# Allegro board SG2042_EVB_V2_0.brd (continued)
## Routing (per net, layer and track width the routed paths; a pad name or vN(x,y) marks a point on that pad's centre or on a via; arc(x,y) is an arc through that point) (continued)
N22469516: length 1.2
  TOP w0.102: R12725.1 228.35,92.71 U3254.10
N22469531: length 1.7
  TOP w0.102: R12724.2 226.64,96.84 U3254.2
N22472265: length 5.5
  TOP w0.102: TP40.1 214.43,165.86 215.63,164.66 U3259.3
N22472266: length 4.5
  TOP w0.102: U3259.13 213.94,160.66 TP38.1
N22472271: length 3.3
  TOP w0.102: U3259.1 216.59,165.46 216.46,165.58 TP39.1
N22472275: length 4.7
  TOP w0.102: U3259.18 217.83,157.92 217.67,157.76 215.85,157.76 R12820.2
N22472286: length 4.3
  TOP w0.102: R12822.2 216.41,157.45 217.8,157.45 218.23,157.89 U3259.19
N22472288: length 5.7
  TOP w0.102: U3259.16 216.5,159.46 216.08,159.03 216.08,158.62 215.83,158.37 215.6,158.37 214.45,157.23 213.87,157.23 213.26,156.62 R12823.2
N22472290: length 1.5
  TOP w0.102: R12826.1 U3260.3
N22472308: length 1.7
  TOP w0.102: U3259.33 223.83,156.89 R12827.2
N22472317: length 4.5
  TOP w0.102: R12832.2 224.03,154.97 C6094.1 225.35,155.42 226.77,155.42 227.82,154.37 X7.1
N22472345: length 7.6
  TOP w0.099: C6096.2 231.28,157.26 230.55,157.26 228.67,159.14 225.61,159.14 225.52,159.06 U3259.35
N22472347: length 7.6
  TOP w0.099: U3259.36 225.52,159.46 225.61,159.37 228.77,159.37 230.64,157.49 231.28,157.49 C6097.2
N22472357: length 3.8
  TOP w0.102: U3259.20 218.63,157.85 217.93,157.15 216.97,157.15 R12815.2
N22472358: length 3.4
  TOP w0.102: R12818.2 217.6,156.92 218.08,156.92 219.03,157.87 U3259.21
N22472359: length 2.7
  TOP w0.102: R12819.2 219.83,157.42 U3259.23
N22472360: length 2.9
  TOP w0.102: R12817.2 219.43,157.89 U3259.22
N22472377: length 2.5
  TOP w0.102: U3259.24 220.23,156.96 R12828.2
N22472378: length 2.2
  TOP w0.102: U3259.26 221.03,156.34 R12829.2
N22472379: length 2.3
  TOP w0.102: U3259.25 220.63,156.5 R12830.2
N22472380: length 2.5
  TOP w0.102: U3259.27 221.43,157.82 221.37,157.76 221.37,156.86 R12831.2
N22472407: length 13.2
  TOP w0.099: v1(230.99,154.84) 231.11,154.71 C6090.1 ; v1(226.72,162.55) 226.53,162.74 225.61,162.74 225.52,162.66 U3259.44
  ART14 w0.107: v1(226.72,162.55) 226.82,162.65 arc(226.92,162.72) 227.03,162.74 227.67,162.74 arc(227.97,162.68) 228.21,162.51 228.23,162.49 arc(228.4,162.25) 228.46,161.95 228.46,161.38 arc(228.5,161.18) 228.61,161 229.08,160.54 arc(229.44,160) 229.56,159.37 229.56,155.95 arc(229.63,155.61) 229.83,155.31 229.85,155.29 arc(230.14,155.1) 230.49,155.03 230.68,155.03 arc(230.79,155) 230.89,154.94 v1(230.99,154.84)
N22472408: length 13.2
  TOP w0.099: C6091.1 231.11,155.57 v1(230.99,155.45) ; U3259.45 225.52,163.06 225.61,162.97 226.53,162.97 v1(226.72,163.16)
  ART14 w0.107: v1(226.72,163.16) 226.82,163.06 arc(226.92,162.99) 227.03,162.97 227.67,162.97 arc(228.06,162.9) 228.38,162.68 228.4,162.66 arc(228.62,162.34) 228.69,161.95 228.69,161.38 arc(228.71,161.26) 228.78,161.17 229.24,160.7 arc(229.65,160.09) 229.8,159.37 229.8,155.95 arc(229.85,155.7) 229.99,155.48 230.01,155.46 arc(230.23,155.31) 230.49,155.26 230.68,155.26 arc(230.79,155.28) 230.89,155.35 v1(230.99,155.45)
N22472417: length 2.8
  TOP w0.114: U3259.7 216.51,163.06 216.43,162.98 215.79,162.98 215.47,163.29 214.74,163.29 C6077.1
N22472419: length 2.8
  TOP w0.114: U3259.8 216.51,162.66 216.43,162.73 215.69,162.73 215.37,163.05 214.74,163.05 C6079.1
N22472422: length 2
  TOP w0.102: R12816.2 216.17,165.06 U3259.2
N22472429: length 8.9
  TOP w0.099: v1(226.72,163.75) 226.53,163.94 225.61,163.94 225.52,163.86 U3259.47 ; C6092.2 231.11,160.71 v1(230.99,160.83)
  ART14 w0.107: v1(230.99,160.83) 230.89,160.93 arc(230.79,161) 230.68,161.02 230.49,161.02 arc(230.13,161.09) 229.83,161.29 229.81,161.32 arc(229.6,161.63) 229.52,162 229.52,162.71 arc(229.43,163.17) 229.17,163.56 229.15,163.58 arc(228.76,163.85) 228.3,163.94 227.03,163.94 arc(226.92,163.92) 226.82,163.85 v1(226.72,163.75)
N22472430: length 8.9
  TOP w0.099: v1(226.72,164.36) 226.53,164.17 225.61,164.17 225.52,164.26 U3259.48 ; C6093.2 231.11,161.57 v1(230.99,161.44)
  ART14 w0.107: v1(226.72,164.36) 226.82,164.26 arc(226.92,164.19) 227.03,164.17 228.3,164.17 arc(228.85,164.06) 229.32,163.75 229.34,163.73 arc(229.65,163.26) 229.76,162.71 229.76,162 arc(229.81,161.72) 229.97,161.49 230,161.46 arc(230.22,161.31) 230.49,161.25 230.68,161.25 arc(230.79,161.28) 230.89,161.34 v1(230.99,161.44)
N22472431: length 8
  TOP w0.099: U3259.38 225.52,160.26 225.61,160.34 227.93,160.34 230.85,163.26 231.28,163.26 C6098.2
N22472432: length 8
  TOP w0.099: C6099.2 231.28,163.49 230.75,163.49 227.84,160.57 225.61,160.57 225.52,160.66 U3259.39
N22487535: length 2.6
  TOP w0.254: 38.53,138.73 C6015.1 ; C6015.1 38.96,139.17 ; C6015.1 C6017.1 ; C6017.1 38.96,140.03 ; C6017.1 38.53,140.46
N22488220: length 2.6
  TOP w0.254: C6018.1 219.48,294.67 ; C6018.1 219.05,295.1 ; C6018.1 C6020.1 ; C6020.1 218.19,295.1 ; C6020.1 217.75,294.67
N22488934: length 2.6
  TOP w0.254: C6023.1 C6021.1 ; C6023.1 211.63,13.51 ; C6023.1 212.06,13.08 ; C6021.1 212.93,13.08 ; C6021.1 213.36,13.51
N22489675: length 2.6
  TOP w0.254: 191.13,13.08 C6024.1 ; C6024.1 C6026.1 ; C6024.1 191.57,13.51 ; 189.84,13.51 C6026.1 ; C6026.1 190.27,13.08
N22491475: length 1.2
  TOP w0.102: R12730.1 225.97,290.87 Q2029.1
N22493926: length 1.2
  TOP w0.102: R12733.1 205.14,17.31 Q2031.1
N22494740: length 1.2
  TOP w0.102: Q2033.1 183.35,17.31 R12736.1
N22495760: length 1.2
  TOP w0.102: R12739.1 224.47,294.45 Q2030.1
N22495825: length 1.2
  TOP w0.102: R12742.1 206.64,13.73 Q2032.1
N22495890: length 1.2
  TOP w0.102: Q2034.1 184.85,13.73 R12745.1
N22500431: length 2.1
  TOP w0.102: Q2018.1 117.5,13.34 R12768.1 R12747.2
N22501064: length 2.1
  TOP w0.102: R12751.2 R12769.1 120.9,13.34 Q2020.1
N22501650: length 2.1
  TOP w0.102: Q2022.1 124.31,13.34 R12770.1 R12755.2
N22502522: length 2.1
  TOP w0.102: Q2024.1 127.71,13.34 R12771.1 R12759.2
N22503786: length 1.2
  TOP w0.102: R12764.2 115.99,15.76 Q2025.1
N22503799: length 1.2
  TOP w0.102: Q2026.1 109.18,15.76 R12765.2
N22503804: length 1.2
  TOP w0.102: R12766.2 112.58,15.76 Q2027.1
N22503809: length 1.2
  TOP w0.102: Q2028.1 105.78,15.76 R12767.2
N22513936: length 1.3
  TOP w0.533: U3261.1 229.04,148.12 R12833.1
N22513987: length 1.9
  TOP w0.102: R12834.2 C6101.1 227.14,143.37 U3261.4
N22513993: length 1.1
  TOP w0.102: R12835.1 227.14,147.84 U3261.3
N22746014: length 2.2
  TOP w0.305: U3269.25 194.71,192.73 195.33,193.34 C6124.2
N22746016: length 0.9
  TOP w0.305: C6124.1 R12836.1
N22746018: length 0.7
  TOP w0.305: R12836.2 193.42,194.16
N22746020: length 4
  TOP w0.305: R12837.1 196.37,174.4 196.06,174.7 194.61,174.7 194.28,175.03 U29.1
N22746024: length 0.9
  TOP w0.305: R12837.2 C6105.1
N22746026: length 1
  TOP w0.305: C6105.2 192.89,174.04
N22746220: length 4
  TOP w0.203: C6129.1 R12849.1 195.86,190.8 R12850.2 195.13,191.43 U3269.22
N22746352: length 4.5
  TOP w0.203: v1(196.39,192.48) 196.37,192.46 C6131.2 195.4,192.46 195.18,192.23 U3269.24
  TOP w0.254: R12848.1 v1(186.18,193.78) ; R12852.2 v1(195.81,185.93) ; R12855.2 v1(186.77,187.22)
N22746388: length 5.2
  TOP w0.203: R12838.2 196.67,179.15 R12840.1 R12841.2 195.64,179.17 194,177.53 U29.7
N22746392: length 0.9
  TOP w0.203: C6109.1 R12838.1
N22746398: length 2.5
  TOP w0.254: R12848.2 C6132.2 188.19,192.96 188.42,192.73 U3269.5
N22746554: length 1.2
  TOP w0.254: C6117.1 189.08,175.03 U29.19
N22746603: length 2.8
  TOP w0.203: U3269.20 194.43,190.63 195.28,189.79 195.28,189.51 195.71,189.08 R12851.1
N22746652: length 3
  TOP w0.203: R12843.1 194.92,175.77 194.35,176.33 U29.4
N22746663: length 3.7
  TOP w0.203: U29.5 195.73,176.73 C6118.1 195.83,176.63 C6120.2
N22746691: length 4.9
  TOP w0.203: U29.3 193.56,175.93 193.59,175.97 194.14,175.97 194.89,175.21 196.55,175.21 196.82,174.93 R12844.2
N22746711: length 3.6
  TOP w0.254: U3269.17 194.36,189.33 194.59,189.1 194.59,188.8 194.94,188.44 R12853.1 R12852.1
N22746801: length 3.4
  TOP w0.102: U3269.12 188.44,189.83 188.14,189.53 R12854.2 R12857.1 R12855.1
N22746833: length 2.8
  TOP w0.203: U3269.18 194.52,189.83 194.97,189.38 194.97,189.08 R12856.2
N22746994: length 2.2
  TOP w0.305: U3270.25 45.21,192.73 45.82,193.34 C6135.2
N22746996: length 0.9
  TOP w0.305: C6135.1 R12845.1
N22746998: length 0.7
  TOP w0.305: R12845.2 43.92,194.16
N22747134: length 4
  TOP w0.305: R12860.1 48.08,174.4 47.78,174.7 46.33,174.7 46,175.03 U3271.1
N22747138: length 0.9
  TOP w0.305: R12860.2 C6139.1
N22747140: length 1
  TOP w0.305: C6139.2 44.6,174.04
N22747173: length 4
  TOP w0.203: C6138.1 R12861.1 46.35,190.8 R12863.2 45.62,191.43 U3270.22
N22747251: length 4.5
  TOP w0.203: U3270.24 45.68,192.23 45.9,192.46 C6141.2 46.86,192.46 v1(46.89,192.48)
  TOP w0.254: R12868.2 v1(46.3,185.93) ; R12872.2 v1(37.26,187.22) ; R12862.1 v1(36.68,193.78)
N22747327: length 2.5
  TOP w0.254: U3270.5 38.91,192.73 38.68,192.96 C6142.2 R12862.2
N22747453: length 5.2
  TOP w0.203: R12864.2 48.39,179.15 R12866.1 R12869.2 47.35,179.17 45.71,177.53 U3271.7
N22747457: length 0.9
  TOP w0.203: R12864.1 C6149.1
N22747543: length 2.8
  TOP w0.203: U3270.20 44.93,190.63 45.77,189.79 45.77,189.51 46.2,189.08 R12867.1
N22747573: length 1.2
  TOP w0.254: C6148.1 40.79,175.03 U3271.19
N22747673: length 3.6
  TOP w0.254: U3270.17 44.85,189.33 45.09,189.1 45.09,188.8 45.44,188.44 R12870.1 R12868.1
N22747709: length 3
  TOP w0.203: R12877.1 46.63,175.77 46.07,176.33 U3271.4
N22747725: length 3.7
  TOP w0.203: C6154.2 47.55,176.63 C6152.1 47.45,176.73 U3271.5
N22747745: length 3.4
  TOP w0.102: U3270.12 38.93,189.83 38.63,189.53 R12871.2 R12874.1 R12872.1
N22747765: length 4.9
  TOP w0.203: U3271.3 45.28,175.93 45.31,175.97 45.85,175.97 46.61,175.21 48.26,175.21 48.54,174.93 R12878.2
N22747789: length 2.8
  TOP w0.203: R12873.2 45.47,189.08 45.47,189.38 45.01,189.83 U3270.18
N22912503: length 2.8
  TOP w0.203: 8.82,156.99 D521.1 ; D521.1 9.14,156.71 ; D521.1 9.47,156.99
  TOP w0.381: J103.B4_A9 v1(8.3,156.88) ; J103.A4_B9 v1(8.3,161.68)
N22960256: length 2.5
  TOP w0.254: U3272.19 215.37,198.28 215.43,198.22
  TOP w0.381: C6155.1 215.87,198.12 215.77,198.22 215.43,198.22
N22960260: length 0.9
  TOP w0.254: 217.4,196.87 C6155.2 216.97,197.31
N22960477: length 4.3
  TOP w0.254: U3272.6 216.33,201.25 216.59,201.51 216.59,202.08 216.89,202.39 R12915.2 R12916.1 218.29,201.52 R12913.1
N22960483: length 0.9
  TOP w0.254: R12913.2 C6160.1
N22960489: length 8.5
  TOP w0.102: R12914.1 v1(210.19,199.69)
  TOP w0.254: U3272.8 214.97,202.88 v1(215.09,203)
  ART14 w0.102: v1(215.09,203) 212.09,203 210.19,201.09 v1(210.19,199.69)
N22960602: length 3
  TOP w0.102: U3272.16 211.05,198.28 C6167.1 R12914.2
N22960654: length 3
  TOP w0.254: U3272.3 216.63,199.75 217.37,199.01 218.03,199.01 R12917.2
N22960658: length 2.9
  TOP w0.254: U3272.2 216.62,199.25 217.22,198.65 218.03,198.65 R12919.2
N22960660: length 1.9
  TOP w0.254: C6166.1 217.2,200.69 216.76,200.25 U3272.4
N23003581: length 3.6
  TOP w0.102: J2005.5 R2021.2
N23003605: length 3.6
  TOP w0.102: J2005.4 R2025.2
N23003629: length 3.6
  TOP w0.102: J2005.3 R2023.2
N23003645: length 3.6
  TOP w0.102: J2005.2 R2024.2
N23006539: length 2.9
  TOP w0.102: U2009.16 113.29,34.14 R12923.2
N23036135: length 2.9
  TOP w0.102: R12924.2 113.29,33.64 U2009.17
N23036659: length 94.5
  TOP w0.081: v1(60.41,49.52) 60.54,49.39 R12939.1 ; U3235.AE6 v1(137.27,88.21)
  ART14 w0.089: v1(60.41,49.52) 60.32,49.62 arc(60.25,49.71) 60.23,49.82 60.23,50.17 arc(60.33,50.42) 60.58,50.52 61.36,50.52 arc(61.5,50.46) 61.57,50.31 61.57,50.24 arc(61.77,50.03) 61.98,50.24 61.98,50.31 arc(62.19,50.52) 62.4,50.31 62.4,50.24 arc(62.61,50.03) 62.82,50.24 62.82,50.31 arc(62.88,50.46) 63.03,50.52 73.98,50.52 arc(80.78,51.87) 86.55,55.73 113.05,82.23 arc(118.74,86.03) 125.45,87.36 134.06,87.36 arc(134.72,87.49) 135.27,87.86 135.31,87.9 arc(135.82,88.24) 136.43,88.37 137.01,88.37 arc(137.1,88.35) 137.18,88.29 v1(137.27,88.21)
N23036660: length 117.5
  TOP w0.081: R12936.1 228.59,64.67 v1(228.46,64.54) ; U3235.AF5 v1(136.47,89.01)
  BOTTOM w0.081: v1(136.47,89.01) 136.38,89.1 arc(136.34,89.13) 136.29,89.16 arc(136.24,89.17) 136.19,89.18 136.13,89.18 arc(135.98,89.21) 135.85,89.29 135.81,89.33 arc(135.71,89.49) 135.67,89.67 135.67,90.67 arc(135.89,91.75) 136.5,92.66 137.03,93.19 arc(138.51,94.19) 140.27,94.53 157.4,94.53 arc(158.36,94.34) 159.17,93.8 159.24,93.73 arc(159.98,93.23) 160.85,93.06 161.73,93.06 arc(163.42,92.72) 164.85,91.77 165.79,90.83 arc(168.1,89.29) 170.84,88.74 172.74,88.74 arc(176.04,88.09) 178.83,86.22 178.9,86.15 arc(181.62,84.33) 184.83,83.69 222.55,83.69 arc(224.31,83.34) 225.81,82.34 225.83,82.33 arc(226.83,80.83) 227.18,79.06 227.18,75.29 arc(227.24,74.98) 227.41,74.72 227.59,74.55 arc(227.81,74.21) 227.89,73.82 227.89,67.43 arc(227.9,67.37) 227.94,67.31 228.15,67.1 arc(228.24,66.96) 228.27,66.81 228.27,64.85 arc(228.3,64.74) 228.36,64.64 v1(228.46,64.54)
N23036661: length 94.5
  TOP w0.081: R12937.1 59.68,49.39 v1(59.8,49.52) ; U3235.AD6 v1(138.07,88.21)
  ART14 w0.089: v1(59.8,49.52) 59.9,49.62 arc(59.97,49.71) 59.99,49.82 59.99,50.17 arc(60.16,50.59) 60.58,50.76 73.98,50.76 arc(80.69,52.1) 86.38,55.9 112.88,82.4 arc(118.65,86.25) 125.45,87.6 134.06,87.6 arc(134.62,87.72) 135.1,88.04 135.14,88.07 arc(135.73,88.47) 136.43,88.61 137.4,88.61 arc(137.65,88.56) 137.86,88.41 v1(138.07,88.21)
N23036662: length 87.1
  TOP w0.081: R12934.1 60.54,69.71 v1(60.41,69.84) ; U3235.AE4 v1(137.27,89.81)
  ART14 w0.089: v1(60.41,69.84) 60.32,69.94 arc(60.25,70.03) 60.23,70.14 60.23,70.44 arc(60.35,70.72) 60.63,70.84 61.35,70.84 arc(61.5,70.78) 61.56,70.63 61.56,70.5 arc(61.77,70.29) 61.98,70.5 61.98,70.63 arc(62.04,70.78) 62.19,70.84 92.96,70.84 arc(99.76,72.19) 105.53,76.05 112.65,83.17 arc(118.34,86.98) 125.06,88.31 132.5,88.31 arc(133.83,88.58) 134.96,89.33 135.49,89.86 arc(136.05,90.23) 136.7,90.36 137.43,90.36 arc(137.51,90.32) 137.55,90.24 137.55,90.21 arc(137.53,90.1) 137.46,89.99 v1(137.27,89.81)
N23036663: length 117.9
  TOP w0.081: R12935.1 227.72,64.67 v1(227.85,64.54) ; U3235.AE5 v1(137.27,89.01)
  BOTTOM w0.081: v1(137.27,89.01) 136.99,89.29 arc(136.85,89.38) 136.7,89.41 136.13,89.41 arc(136.07,89.42) 136.02,89.46 135.98,89.5 arc(135.92,89.58) 135.91,89.67 135.91,90.67 arc(136.1,91.66) 136.67,92.5 137.19,93.03 arc(138.6,93.97) 140.27,94.3 140.68,94.3 arc(140.83,94.24) 140.89,94.1 140.89,94.03 arc(141.09,93.83) 141.3,94.03 141.3,94.1 arc(141.36,94.24) 141.5,94.3 157.4,94.3 arc(158.27,94.13) 159,93.64 159.07,93.56 arc(159.89,93.02) 160.85,92.83 161.73,92.83 arc(163.33,92.51) 164.69,91.6 165.62,90.67 arc(168.01,89.07) 170.84,88.51 172.74,88.51 arc(175.95,87.87) 178.67,86.05 178.74,85.98 arc(181.53,84.11) 184.83,83.46 222.55,83.46 arc(224.22,83.13) 225.65,82.18 225.66,82.16 arc(226.61,80.74) 226.94,79.06 226.94,79.06 226.94,75.29 arc(227.02,74.89) 227.25,74.56 227.42,74.38 arc(227.59,74.12) 227.66,73.82 227.66,67.43 arc(227.69,67.28) 227.77,67.14 227.99,66.93 arc(228.03,66.87) 228.04,66.81 228.04,64.85 arc(228.02,64.74) 227.95,64.64 v1(227.85,64.54)
N23036664: length 87.1
  TOP w0.081: U3235.AD4 v1(138.07,89.81) ; v1(59.8,69.84) 59.68,69.71 R12931.1
  ART14 w0.089: v1(138.07,89.81) 137.89,89.98 arc(137.82,90.1) 137.79,90.23 137.79,90.24 arc(137.68,90.5) 137.43,90.6 136.7,90.6 arc(135.95,90.45) 135.32,90.03 134.79,89.5 arc(133.74,88.8) 132.5,88.55 125.06,88.55 arc(118.25,87.2) 112.48,83.34 105.36,76.22 arc(99.67,72.42) 92.96,71.08 60.63,71.08 arc(60.18,70.89) 59.99,70.44 59.99,70.14 arc(59.97,70.03) 59.9,69.94 v1(59.8,69.84)
N23036993: length 66.9
  TOP w0.081: R12945.1 186.41,88.72 v1(186.28,88.6) ; U3235.AD10 v1(138.07,85.01)
  BOTTOM w0.081: v1(138.07,85.01) 137.83,85.25 arc(137.65,85.36) 137.44,85.41 137.43,85.41 arc(137.22,85.45) 137.04,85.57 136.94,85.67 arc(136.66,85.86) 136.32,85.92 136.18,85.92 arc(135.89,85.98) 135.65,86.14 135.43,86.36 arc(135.12,86.83) 135.01,87.38 135.01,87.99 arc(135.07,88.12) 135.2,88.17 135.2,88.17 arc(135.33,88.23) 135.38,88.36 135.38,88.4 arc(135.33,88.53) 135.2,88.58 135.2,88.58 arc(135.07,88.64) 135.01,88.77 135.01,90.8 arc(135.25,92.01) 135.94,93.03 138.78,95.88 arc(139.51,96.37) 140.38,96.54 153.51,96.54 arc(154.3,96.38) 154.96,95.94 155.04,95.86 arc(155.78,95.37) 156.65,95.19 157.77,95.19 arc(158.64,95.02) 159.37,94.53 159.45,94.46 arc(160.26,93.91) 161.22,93.72 162.11,93.72 arc(163.7,93.4) 165.06,92.5 165.99,91.56 arc(168.39,89.96) 171.21,89.4 175.21,89.4 arc(176.48,89.15) 177.55,88.43 177.63,88.36 arc(178.78,87.59) 180.13,87.32 185.29,87.32 arc(185.59,87.38) 185.85,87.55 185.86,87.57 arc(186.04,87.82) 186.1,88.12 186.1,88.28 arc(186.12,88.4) 186.18,88.5 v1(186.28,88.6)
N23037010: length 66
  TOP w0.081: U3235.AE10 v1(137.27,85.01) ; R12946.1 185.55,88.72 v1(185.67,88.6)
  BOTTOM w0.081: v1(185.67,88.6) 185.77,88.5 arc(185.84,88.4) 185.86,88.28 185.86,88.12 arc(185.82,87.91) 185.7,87.73 185.68,87.72 arc(185.5,87.6) 185.29,87.55 180.13,87.55 arc(178.86,87.81) 177.79,88.52 177.72,88.6 arc(176.57,89.37) 175.21,89.64 171.21,89.64 arc(168.47,90.18) 166.16,91.73 165.22,92.66 arc(163.79,93.62) 162.11,93.95 161.22,93.95 arc(160.35,94.13) 159.61,94.62 159.54,94.69 arc(158.73,95.24) 157.77,95.43 156.65,95.43 arc(155.87,95.58) 155.2,96.03 155.13,96.1 arc(154.39,96.6) 153.51,96.77 140.38,96.77 arc(139.42,96.58) 138.61,96.04 135.77,93.2 arc(135.04,92.1) 134.78,90.8 134.78,87.38 arc(134.9,86.74) 135.27,86.19 135.48,85.98 arc(135.8,85.76) 136.18,85.69 136.32,85.69 arc(136.57,85.64) 136.77,85.5 v1(137.27,85.01)
N23037065: length 48.4
  TOP w0.081: v1(143.88,46.42) 144.01,46.55 R12943.1 ; U3235.AD8 v1(138.07,86.61)
  ART14 w0.089: v1(143.88,46.42) 143.78,46.32 arc(143.68,46.26) 143.57,46.23 143.09,46.23 arc(142.55,46.34) 142.1,46.65 140.17,48.58 arc(138.44,51.16) 137.84,54.2 137.84,62 arc(137.3,64.69) 135.78,66.97 135.71,67.04 arc(134.24,69.24) 133.72,71.83 133.72,82.58 arc(133.97,83.79) 134.65,84.82 135.44,85.61 arc(135.61,85.72) 135.82,85.76 136.16,85.76 136.23,85.69 136.31,85.61 136.6,85.61 136.68,85.69 136.76,85.76 137.08,85.76 arc(137.22,85.79) 137.33,85.87 v1(138.07,86.61)
N23037082: length 48.4
  TOP w0.081: v1(143.88,45.81) 144.01,45.68 R12944.1 ; U3235.AE8 v1(137.27,86.61)
  ART14 w0.089: v1(137.27,86.61) 137.27,86.24 arc(137.25,86.15) 137.2,86.08 137.16,86.04 arc(137.12,86.01) 137.08,86 135.82,86 arc(135.52,85.95) 135.27,85.78 134.48,84.99 arc(133.74,83.88) 133.48,82.58 133.48,71.83 arc(134.02,69.14) 135.54,66.86 135.61,66.79 arc(137.08,64.6) 137.6,62 137.6,54.2 arc(138.22,51.06) 139.99,48.41 141.93,46.48 arc(142.46,46.12) 143.09,45.99 143.57,45.99 arc(143.68,45.97) 143.78,45.91 v1(143.88,45.81)
N23037197: length 94.9
  TOP w0.081: U3235.AA6 v1(140.47,88.21) ; v1(59.8,110.48) 59.68,110.35 R12932.1
  ART05 w0.074: v1(140.47,88.21) 140.07,87.81 137.08,87.81 136.78,88.11 105.34,88.11 98.28,95.17 84.66,95.17 77.32,102.51 61.78,102.51 60,104.29 60,110.29 v1(59.8,110.48)
N23037214: length 94.9
  TOP w0.081: v1(60.41,110.48) 60.54,110.35 R12938.1 ; U3235.AB6 v1(139.67,88.21)
  ART05 w0.074: v1(60.41,110.48) 60.22,110.29 60.22,104.39 61.87,102.74 77.41,102.74 84.75,95.4 98.37,95.4 105.44,88.34 134.08,88.34 arc(134.21,88.39) 134.27,88.53 134.27,88.61 arc(134.46,88.8) 134.65,88.61 134.65,88.53 arc(134.83,88.34) 135.02,88.53 135.02,88.61 arc(135.21,88.8) 135.4,88.61 135.4,88.53 arc(135.46,88.39) 135.59,88.34 136.78,88.34 137.04,88.61 139.27,88.61 v1(139.67,88.21)
N23048618: length 1.2
  TOP w0.102: Q2035.1 45.33,137.73 R12927.1
N23048633: length 1.2
  TOP w0.102: R12930.1 43.83,141.32 Q2036.1
N23059317: length 1.8
  TOP w0.102: R2520.1 38.98,233.44 U814.14
N23059330: length 1.9
  TOP w0.102: R2521.1 38.33,233.66 U814.13
N23059343: length 2
  TOP w0.102: U814.12 37.68,233.87 R2522.1
N23133443: length 37.1
  TOP w0.114: 190.68,85.09 190.34,85.43 arc(190.25,85.57) 190.21,85.73 190.21,86.23 arc(190.24,86.38) 190.33,86.51 190.4,86.58 arc(190.43,86.62) 190.44,86.68 190.44,88.22 190.22,88.44 190.22,88.76 190.44,88.98 190.44,91.88 U3273.A9 ; C6202.1 164.16,78.36
  ART12 w0.107: 190.68,85.09 190.58,85.19 arc(190.48,85.26) 190.37,85.28 189,85.28 arc(188.55,85.37) 188.16,85.62 188.09,85.7 arc(187.78,85.9) 187.41,85.98 182.51,85.98 arc(178.53,85.18) 175.16,82.93 173.05,80.82 arc(170.53,79.14) 167.56,78.55 164.47,78.55 arc(164.36,78.52) 164.26,78.46 164.16,78.36
N23133452: length 37.1
  TOP w0.114: C6204.1 164.16,78.97 ; 190.68,85.7 190.56,85.82 arc(190.48,85.93) 190.45,86.07 190.45,86.23 arc(190.47,86.29) 190.5,86.34 190.57,86.4 arc(190.65,86.53) 190.68,86.68 190.68,92.2 arc(190.64,92.42) 190.52,92.61 U3273.B9
  ART12 w0.107: 164.16,78.97 164.26,78.87 arc(164.36,78.8) 164.47,78.78 167.56,78.78 arc(170.44,79.35) 172.88,80.98 174.99,83.09 arc(178.44,85.4) 182.51,86.21 187.41,86.21 arc(187.87,86.12) 188.26,85.86 188.33,85.79 arc(188.63,85.58) 189,85.51 190.37,85.51 arc(190.48,85.53) 190.58,85.6 190.68,85.7
N23133507: length 39.7
  TOP w0.114: C6203.1 164.16,81.53 ; 193.88,85.09 193.54,85.43 arc(193.45,85.57) 193.41,85.73 193.41,86.23 arc(193.44,86.38) 193.53,86.51 193.6,86.57 arc(193.63,86.62) 193.64,86.68 193.64,88.22 193.42,88.44 193.42,88.76 193.64,88.98 193.64,91.88 U3273.A5
  ART12 w0.107: 193.88,85.09 193.78,85.19 arc(193.68,85.26) 193.57,85.28 193.31,85.28 arc(192.89,85.36) 192.53,85.6 192.14,85.99 arc(191.51,86.41) 190.77,86.56 189.02,86.56 arc(188.73,86.62) 188.48,86.78 188.4,86.86 arc(188.22,86.98) 188.01,87.02 181.66,87.02 arc(178.07,86.3) 175.02,84.27 175.02,84.26 arc(172.2,82.38) 168.88,81.72 164.47,81.72 arc(164.36,81.7) 164.26,81.64 164.16,81.53
N23133516: length 39.8
  TOP w0.114: C6205.1 164.16,82.14 ; U3273.B5 193.88,92.44 193.88,86.68 arc(193.85,86.53) 193.77,86.4 193.7,86.34 arc(193.67,86.29) 193.65,86.23 193.65,86.07 arc(193.68,85.93) 193.76,85.82 193.88,85.7
  ART12 w0.107: 193.88,85.7 193.78,85.6 arc(193.68,85.53) 193.57,85.51 193.31,85.51 arc(192.98,85.58) 192.7,85.76 192.3,86.16 arc(191.6,86.63) 190.77,86.79 189.02,86.79 arc(188.81,86.83) 188.64,86.95 188.57,87.02 arc(188.31,87.19) 188.01,87.25 181.66,87.25 arc(177.98,86.52) 174.86,84.43 174.85,84.43 arc(172.11,82.6) 168.88,81.96 164.47,81.96 arc(164.36,81.98) 164.26,82.04 164.16,82.14
N23135114: length 1.1
  TOP w0.254: R12977.1 214.85,99.6 U3276.4
N23135116: length 0.9
  TOP w0.254: R12977.2 C6215.2
N23135180: length 2.3
  TOP w0.254: U3276.2 212.14,100.1 ; C6215.1 212.42,98.55 211.89,99.09
N23135228: length 2.7
  TOP w0.254: R12979.2 215.11,101.45 R12980.1 ; R12980.1 C6218.2 ; R12980.1 R12982.2
N23135264: length 1
  TOP w0.254: U3276.6 215.08,100.6 R12979.1
N23135692: length 1.1
  TOP w0.254: R12983.1 178.24,80.99 U3277.4
N23135694: length 0.9
  TOP w0.254: R12983.2 C6221.2
N23135758: length 2.3
  TOP w0.254: U3277.2 180.95,80.49 ; 181.2,81.51 180.67,82.04 C6221.1
N23135806: length 2.7
  TOP w0.254: R12986.1 C6224.2 ; R12986.1 177.98,79.15 R12985.2 ; R12986.1 R12988.2
N23135842: length 1
  TOP w0.254: U3277.6 178.01,79.99 R12985.1
N23136286: length 1.1
  TOP w0.254: R12989.1 168.04,109.97 U3278.4
N23136288: length 0.9
  TOP w0.254: R12989.2 C6227.2
N23136352: length 2.3
  TOP w0.254: U3278.2 167.54,107.26 ; 168.55,107.01 169.09,107.54 C6227.1
N23136400: length 2.7
  TOP w0.254: R12992.1 166.19,110.24 R12991.2 ; R12992.1 C6230.2 ; R12992.1 R12994.2
N23136436: length 1
  TOP w0.254: R12991.1 167.04,110.2 U3278.6
N23136966: length 3
  TOP w0.102: U2009.29 119.22,25.37 R12995.2
N23136968: length 2.9
  TOP w0.102: U2009.30 119.72,25.03 R12996.2
N23137006: length 3
  TOP w0.102: U2009.31 120.22,25.39 R12997.2
N23137270: length 2.8
  TOP w0.102: C6235.1 R12998.1 193.71,119.28 X9.1
N23137310: length 1.9
  TOP w0.102: R12999.1 196.35,116.52 X9.3
N23138181: length 11.1
  TOP w0.102: U3273.W7 v1(192.28,106.83) ; R13000.1 v1(195.86,113.69)
  ART14 w0.102: v1(192.28,106.83) 192.48,106.62 arc(192.7,106.48) 192.95,106.43 194.06,106.43 arc(194.42,106.58) 194.56,106.93 194.56,111.49 arc(194.73,112.33) 195.2,113.04 v1(195.86,113.69)
N23138221: length 9.9
  TOP w0.102: U3273.W8 v1(191.48,106.83) ; R13001.1 v1(195,113.69)
  ART14 w0.102: v1(191.48,106.83) 191.74,107.09 arc(191.98,107.26) 192.27,107.31 192.61,107.31 arc(193.38,107.63) 193.7,108.41 193.7,111.49 arc(193.87,112.33) 194.34,113.04 v1(195,113.69)
N23138241: length 10.6
  TOP w0.102: R13002.1 v1(194.13,113.69) ; U3273.V9 v1(190.68,106.03)
  ART14 w0.102: v1(190.68,106.03) 190.89,106.24 arc(191.03,106.46) 191.08,106.72 191.08,107.21 arc(191.2,107.5) 191.49,107.62 192.13,107.62 arc(192.52,107.78) 192.68,108.17 192.68,110.89 arc(192.86,111.83) 193.4,112.63 194.02,113.25 arc(194.1,113.37) 194.13,113.52 v1(194.13,113.69)
N23138261: length 11.3
  TOP w0.102: R13003.1 v1(193.27,113.69) ; U3273.V11 v1(189.08,106.03)
  ART14 w0.102: v1(193.27,113.69) 192.57,112.99 arc(192.06,112.22) 191.88,111.32 191.88,108.26 arc(191.78,108.02) 191.54,107.92 190.4,107.92 arc(189.75,107.65) 189.48,107 189.48,106.7 arc(189.43,106.45) 189.28,106.24 v1(189.08,106.03)
N23138461: length 2.3
  TOP w0.099: U3273.AC7 191.6,109.92 191.6,111.36 R13004.1
N23138481: length 2.3
  TOP w0.099: U3273.AC8 191.37,109.92 191.37,111.32 R13005.1
N23138501: length 5.5
  TOP w0.099: U3273.AB9 v1(190.68,109.23) ; R13006.1 190.3,113.13 v1(190.17,113)
  ART14 w0.107: v1(190.68,109.23) 190.68,110.13 arc(190.6,110.51) 190.39,110.83 190.11,111.11 arc(190.01,111.25) 189.98,111.41 189.98,111.64 190.22,111.88 190.22,112.09 189.98,112.33 189.98,112.69 arc(190,112.81) 190.07,112.9 v1(190.17,113)
N23138521: length 5.5
  TOP w0.099: v1(189.56,113) 189.43,113.13 R13007.1 ; U3273.AB10 v1(189.88,109.23)
  ART14 w0.107: v1(189.56,113) 189.66,112.9 arc(189.73,112.81) 189.75,112.69 189.75,111.41 arc(189.8,111.16) 189.94,110.95 190.22,110.67 arc(190.39,110.42) 190.44,110.13 190.44,110.11 arc(190.39,109.82) 190.22,109.58 v1(189.88,109.23)
N23138573: length 2.3
  TOP w0.099: R13008.1 188.4,111.36 188.4,109.92 U3273.AC11
N23138583: length 2.3
  TOP w0.099: U3273.AC12 188.17,109.92 188.17,111.32 R13009.1
N23138593: length 7
  TOP w0.099: v1(186.97,113) 187.1,113.13 R13010.1 ; U3273.AA11 v1(189.08,108.43)
  ART14 w0.107: v1(189.08,108.43) 188.83,108.67 arc(188.66,108.79) 188.46,108.83 188.24,108.83 arc(188.04,108.87) 187.86,108.99 187.8,109.05 arc(187.65,109.27) 187.6,109.53 187.6,109.78 arc(187.5,110.28) 187.22,110.69 186.87,111.05 arc(186.8,111.14) 186.78,111.26 186.78,112.69 arc(186.8,112.81) 186.87,112.9 v1(186.97,113)
N23138603: length 7
  TOP w0.099: v1(186.36,113) 186.23,113.13 R13011.1 ; U3273.AA12 v1(188.28,108.43)
  ART14 w0.107: v1(186.36,113) 186.46,112.9 arc(186.53,112.81) 186.55,112.69 186.55,112.32 arc(186.49,112.17) 186.34,112.11 186.34,112.11 arc(186.19,112.05) 186.13,111.9 186.13,111.84 arc(186.19,111.69) 186.34,111.62 186.37,111.62 arc(186.49,111.57) 186.55,111.44 186.55,111.26 arc(186.59,111.06) 186.7,110.88 187.06,110.53 arc(187.29,110.19) 187.37,109.78 187.37,109.53 arc(187.44,109.18) 187.64,108.88 187.96,108.56 arc(188.1,108.47) v1(188.28,108.43)
N23142129: length 5.8
  TOP w0.102: R13012.1 v1(195,111.05) ; U3273.AA7 v1(192.28,108.43)
  BOTTOM w0.102: v1(192.28,108.43) 192.66,108.81 192.66,110.19 192.89,110.41 194.36,110.41 v1(195,111.05)
N23142149: length 5.7
  TOP w0.102: R13013.1 v1(194.13,111.05) ; U3273.AA8 v1(191.48,108.43)
  BOTTOM w0.102: v1(194.13,111.05) 193.73,110.64 192.33,110.64 191.87,110.19 191.87,108.83 v1(191.48,108.43)
N23142169: length 8.9
  TOP w0.102: U3273.W9 v1(190.68,106.83) ; R13014.1 v1(195.86,111.05)
  BOTTOM w0.102: v1(195.86,111.05) 195.86,109.7 193.73,107.57 191.41,107.57 v1(190.68,106.83)
N23142189: length 7.6
  TOP w0.102: R13015.1 v1(193.27,111.05) ; U3273.W10 v1(189.88,106.83)
  BOTTOM w0.102: v1(189.88,106.83) 191.08,108.03 191.08,110.19 191.94,111.05 v1(193.27,111.05)
N23295088: length 1.3
  TOP w0.533: U3279.1 26.86,189.47 R13016.1
N23295135: length 1.9
  TOP w0.102: R13017.2 C6249.1 31.61,187.57 U3279.4
N23295141: length 1.1
  TOP w0.102: U3279.3 27.14,187.57 R13018.1
N23300322: length 1.3
  TOP w0.533: U3280.1 26.86,180.88 R13019.1
N23300369: length 1.9
  TOP w0.102: U3280.4 31.61,178.98 C6250.1 R13020.2
N23300375: length 1.1
  TOP w0.102: R13021.1 27.14,178.98 U3280.3
N23301189: length 1.3
  TOP w0.533: U3281.1 26.86,185.18 R13022.1
N23301236: length 1.9
  TOP w0.102: R13023.2 C6251.1 31.61,183.28 U3281.4
N23301242: length 1.1
  TOP w0.102: U3281.3 27.14,183.28 R13024.1
N23341944: length 14.7
  TOP w0.102: J2047.H13 12.48,178.21 18.08,178.21 21.39,174.9 22.24,174.9 23.21,173.94 C6248.1
N23344605: length 125.5
  TOP w0.081: v1(210.91,165.77) 211.04,165.9 R13025.1 ; U3235.AE11 v1(137.27,84.21)
  BOTTOM w0.081: v1(210.91,165.77) 210.81,165.67 arc(210.71,165.61) 210.6,165.59 210.01,165.59 arc(209.68,165.52) 209.4,165.33 209.33,165.26 arc(209.12,165.12) 208.88,165.07 207.64,165.07 arc(206.26,164.8) 205.09,164.02 168.54,127.47 arc(164.28,124.62) 159.26,123.62 159.16,123.62 arc(154.04,122.6) 149.7,119.71 140.21,110.21 arc(137.25,105.79) 136.22,100.57 136.22,96.25 arc(135.97,95.01) 135.26,93.96 134.5,93.2 arc(134.28,93.05) 134.01,92.99 133.89,92.99 arc(133.56,92.93) 133.28,92.74 133.27,92.73 arc(133.08,92.45) 133.01,92.12 133.01,87.04 arc(133.17,86.28) 133.6,85.63 135.17,84.05 arc(135.51,83.83) 135.9,83.75 136.5,83.75 arc(136.79,83.81) 137.04,83.97 v1(137.27,84.21)
N23344615: length 125.5
  TOP w0.081: R13026.1 211.04,165.04 v1(210.91,165.16) ; U3235.AF11 v1(136.47,84.21)
  BOTTOM w0.081: v1(136.47,84.21) 136.35,84.09 arc(136.24,84.01) 136.1,83.99 135.9,83.99 arc(135.6,84.05) 135.34,84.22 135.15,84.41 arc(135.09,84.55) 135.15,84.7 135.27,84.82 arc(135.27,85.11) 134.98,85.11 134.86,84.99 arc(134.57,84.99) 134.57,85.28 134.69,85.4 arc(134.69,85.69) 134.4,85.69 134.28,85.57 arc(134.13,85.51) 133.99,85.57 133.77,85.79 arc(133.38,86.37) 133.25,87.04 133.25,92.12 arc(133.3,92.36) 133.43,92.56 133.45,92.58 arc(133.65,92.71) 133.89,92.76 134.01,92.76 arc(134.37,92.83) 134.67,93.03 135.43,93.79 arc(136.18,94.92) 136.45,96.25 136.45,100.57 arc(137.47,105.7) 140.38,110.05 149.87,119.54 arc(154.13,122.39) 159.16,123.39 159.26,123.39 arc(164.37,124.4) 168.7,127.3 205.26,163.85 arc(206.35,164.58) 207.64,164.84 208.88,164.84 arc(209.21,164.91) 209.49,165.09 209.57,165.17 arc(209.77,165.3) 210.01,165.35 210.6,165.35 arc(210.71,165.33) 210.81,165.26 v1(210.91,165.16)
N23344625: length 173.5
  TOP w0.081: U3235.AB11 v1(139.67,84.21) ; v1(17.13,155.08) 17.26,155.21 R13027.1
  ART05 w0.074: v1(139.67,84.21) 139.38,83.92 139.38,83.58 139.1,83.3 135.97,83.3 132.09,87.17 104.95,87.17 97.89,94.23 82.31,94.23 75.5,101.04 60.45,101.04 57.35,104.14 57.35,105.92 53.26,110.01 34.72,110.01 14.91,129.82 14.91,153.57 16.23,154.89 16.94,154.89 v1(17.13,155.08)
N23344635: length 173.5
  TOP w0.081: v1(17.13,154.47) 17.26,154.34 R13028.1 ; U3235.AC11 v1(138.87,84.21)
  ART05 w0.074: v1(17.13,154.47) 16.94,154.66 16.32,154.66 15.14,153.47 15.14,129.91 34.82,110.23 53.36,110.23 57.58,106.01 57.58,104.23 60.55,101.27 75.6,101.27 82.41,94.46 97.99,94.46 105.05,87.4 132.18,87.4 134.27,85.31 arc(134.41,85.25) 134.54,85.31 134.59,85.36 arc(134.85,85.36) 134.85,85.09 134.81,85.04 arc(134.81,84.77) 135.08,84.77 135.12,84.82 arc(135.39,84.82) 135.39,84.55 135.34,84.51 arc(135.29,84.37) 135.34,84.24 136.06,83.52 139.01,83.52 139.16,83.67 139.16,83.92 v1(138.87,84.21)
N23505446: length 3.3
  TOP w0.102: R13029.1 133.88,30.02 132.77,31.14 U2009.54
N23535960: length 2.2
  TOP w0.114: C6252.1 188.84,90.32 188.84,90.68 188.65,90.87 188.65,91.19 188.84,91.39 188.84,91.78 arc(188.82,91.87) 188.77,91.95 U3273.A11
N23535963: length 2.9
  TOP w0.114: C6253.1 189.08,90.3 189.08,92.17 arc(189.03,92.42) 188.89,92.63 U3273.B11
N23535975: length 2.2
  TOP w0.114: C6254.1 192.04,90.32 192.04,90.68 191.85,90.87 191.85,91.19 192.04,91.39 192.04,91.78 arc(192.02,91.87) 191.97,91.95 U3273.A7
N23535978: length 2.9
  TOP w0.114: U3273.B7 192.09,92.63 arc(192.23,92.42) 192.28,92.17 192.28,90.3 C6255.1
N23536124: length 2.7
  TOP w0.114: C6256.1 214.73,161.78 216.43,161.78 216.51,161.86 U3259.10
N23536127: length 2.7
  TOP w0.114: U3259.11 216.51,161.46 216.43,161.53 214.75,161.53 C6257.1
N23570718: length 108.7
  TOP w0.099: C6260.2 132.65,190.67 132.65,188.71 133.25,188.11
  TOP w0.114: 152.5,95.43 152.32,95.24 152.32,94.63 150.98,93.29 150.98,92.09 U3235.H1
  ART03 w0.104: 133.25,188.11 132.94,188.11 132.84,188.01 132.84,186.54 132.88,186.51 132.88,186.48
  ART03 w0.124: 132.88,186.48 132.88,185.42 149.73,168.57 149.73,105.88 arc(149.76,105.71) 149.86,105.57 150.65,104.77 arc(150.79,104.57) 150.83,104.33 150.83,97.68 arc(150.86,97.54) 150.94,97.42 151.22,97.15 151.37,97.15 151.52,97.15 151.75,96.91 151.75,96.76 151.75,96.61 152.14,96.22 arc(152.28,96.02) 152.32,95.79 152.32,95.72 arc(152.34,95.62) 152.4,95.53 152.5,95.43
N23570719: length 108.8
  TOP w0.099: C6271.2 127.85,189.58 127.85,188.36 128.25,187.96
  TOP w0.114: U3235.W2 142.46,91.01 142.86,90.61
  ART03 w0.104: 127.62,186.48 127.62,186.51 127.66,186.54 127.66,187.37 128.25,187.96
  ART03 w0.124: 142.86,90.61 142.71,90.77 arc(142.58,90.86) 142.43,90.89 142.41,90.89 arc(142.08,91.03) 141.94,91.36 141.94,95.5 arc(141.91,95.64) 141.83,95.76 141.47,96.12 arc(141.34,96.32) 141.29,96.56 141.29,104.33 arc(141.34,104.57) 141.47,104.77 143.85,107.15 arc(143.94,107.27) 143.96,107.42 143.96,166.18 127.62,182.52 127.62,186.48
N23570720: length 109.2
  TOP w0.099: 128.25,187.35 127.65,187.95 127.65,189.58 C6270.2
  TOP w0.114: U3235.V2 142.86,91.41
  ART03 w0.104: 128.25,187.35 127.94,187.35 127.84,187.25 127.84,186.54 127.88,186.51 127.88,186.48
  ART03 w0.124: 142.86,91.41 142.7,91.25 arc(142.58,91.17) 142.43,91.14 142.41,91.14 arc(142.25,91.2) 142.19,91.36 142.19,92.93 arc(142.26,93.11) 142.44,93.18 arc(142.62,93.25) 142.7,93.43 142.7,93.46 arc(142.62,93.64) 142.44,93.72 arc(142.26,93.79) 142.19,93.97 142.19,95.5 arc(142.14,95.74) 142.01,95.94 141.65,96.29 arc(141.57,96.41) 141.54,96.56 141.54,104.33 arc(141.57,104.48) 141.65,104.6 144.03,106.98 arc(144.17,107.18) 144.21,107.42 144.21,166.28 127.88,182.62 127.88,186.48
N23570721: length 108
  TOP w0.099: C6267.2 129.85,189.58 129.85,188.36 130.25,187.96
  TOP w0.114: U3235.R2 146.06,90.61
  ART03 w0.104: 130.25,187.96 129.66,187.37 129.66,186.54 129.62,186.51 129.62,186.48
  ART03 w0.124: 129.62,186.48 129.62,183.64 146.17,167.09 146.17,105.53 arc(146.14,105.39) 146.06,105.27 145.56,104.77 arc(145.43,104.57) 145.38,104.33 145.38,94.97 arc(145.37,94.92) 145.34,94.87 145.26,94.79 arc(145.17,94.65) 145.14,94.49 145.14,91.36 arc(145.28,91.03) 145.61,90.89 145.63,90.89 arc(145.78,90.86) 145.9,90.77 146.06,90.61
N23570722: length 108.4
  TOP w0.099: 130.25,187.35 129.65,187.95 129.65,189.58 C6266.2
  TOP w0.114: U3235.P2 146.06,91.41
  ART03 w0.104: 129.88,186.48 129.88,186.51 129.84,186.54 129.84,187.25 129.94,187.35 130.25,187.35
  ART03 w0.124: 146.06,91.41 145.9,91.25 arc(145.78,91.17) 145.63,91.14 145.61,91.14 arc(145.45,91.2) 145.39,91.36 145.39,92.93 arc(145.46,93.11) 145.64,93.18 arc(145.82,93.25) 145.9,93.43 145.9,93.46 arc(145.82,93.64) 145.64,93.72 arc(145.46,93.79) 145.39,93.97 145.39,94.49 arc(145.4,94.56) 145.44,94.61 145.52,94.69 arc(145.6,94.82) 145.63,94.97 145.63,104.33 arc(145.66,104.48) 145.74,104.6 146.24,105.09 arc(146.37,105.29) 146.42,105.53 146.42,167.2 129.88,183.74 129.88,186.48
N23570723: length 108.1
  TOP w0.099: 132.25,187.96 131.85,188.36 131.85,189.58 C6263.2
  TOP w0.114: U3235.L2 149.26,91.41
  ART03 w0.104: 131.62,186.48 131.62,186.51 131.66,186.54 131.66,187.37 132.25,187.96
  ART03 w0.124: 131.62,186.48 131.62,184.76 148.3,168.08 148.37,168.01 148.37,105.37 arc(148.42,105.13) 148.55,104.93 148.96,104.53 149.36,104.12 arc(149.44,104) 149.47,103.86 149.47,96.63 arc(149.52,96.39) 149.65,96.19 149.83,96.02 arc(149.91,95.9) 149.94,95.76 149.94,94.33 149.81,94.2 149.81,93.88 149.94,93.75 149.94,93.42 149.81,93.29 149.81,92.97 149.94,92.84 149.94,91.36 arc(149.87,91.2) 149.71,91.14 149.7,91.14 arc(149.55,91.17) 149.42,91.25 149.26,91.41
N23570724: length 109.5
  TOP w0.099: C6273.2 126.85,190.67 126.85,189.12 127.25,188.72
  TOP w0.114: U3235.AA1 141.14,92.09 141.14,93.24 139.81,94.58 139.81,95.24 139.62,95.43
  ART03 w0.104: 127.25,188.72 126.66,188.13 126.66,186.54 126.62,186.51 126.62,186.48
  ART03 w0.124: 126.62,186.48 126.62,181.96 142.86,165.72 142.86,107.87 arc(142.83,107.73) 142.75,107.61 138.5,103.35 arc(138.36,103.15) 138.31,102.91 138.31,97.68 arc(138.36,97.44) 138.5,97.24 139.7,96.04 arc(139.78,95.92) 139.8,95.79 139.8,95.72 arc(139.78,95.62) 139.72,95.53 139.62,95.43
N23570725: length 108.5
  TOP w0.099: 132.25,187.35 131.65,187.95 131.65,189.58 C6262.2
  TOP w0.114: U3235.K2 149.26,90.61
  ART03 w0.104: 132.25,187.35 131.94,187.35 131.84,187.25 131.84,186.54 131.88,186.51 131.88,186.48
  ART03 w0.124: 149.26,90.61 149.42,90.77 arc(149.55,90.86) 149.7,90.89 149.71,90.89 arc(150.05,91.03) 150.19,91.36 150.19,95.76 arc(150.14,95.99) 150.01,96.2 149.83,96.37 arc(149.75,96.49) 149.72,96.63 149.72,103.86 arc(149.68,104.1) 149.54,104.3 148.73,105.11 arc(148.65,105.23) 148.62,105.37 148.62,168.11 148.55,168.19 131.88,184.86 131.88,186.48
N23570726: length 109.9
  TOP w0.099: C6272.2 126.65,190.67 126.65,188.71 127.25,188.11
  TOP w0.114: U3235.Y1 141.38,92.09 141.38,93.34 140.05,94.68 140.05,95.24 140.23,95.43
  ART03 w0.104: 126.88,186.48 126.88,186.51 126.84,186.54 126.84,188.01 126.94,188.11 127.25,188.11
  ART03 w0.124: 126.88,186.48 126.88,182.06 143.11,165.83 143.11,107.87 arc(143.07,107.64) 142.93,107.43 138.67,103.18 arc(138.59,103.06) 138.56,102.91 138.56,97.68 arc(138.59,97.54) 138.67,97.42 138.95,97.15 139.1,97.15 139.25,97.15 139.48,96.91 139.48,96.76 139.48,96.61 139.88,96.22 arc(140.01,96.02) 140.05,95.79 140.05,95.72 arc(140.08,95.62) 140.14,95.53 140.23,95.43
N23570727: length 108.5
  TOP w0.099: 129.25,188.72 128.85,189.12 128.85,190.67 C6269.2
  TOP w0.114: U3235.U1 144.34,92.09 144.34,93.82 143.9,94.27 143.9,95.24 143.71,95.43
  ART03 w0.104: 129.25,188.72 128.66,188.13 128.66,186.54 128.62,186.51 128.62,186.48
  ART03 w0.124: 128.62,186.48 128.62,183.08 145.07,166.64 145.07,106.96 arc(145.04,106.82) 144.96,106.7 142.58,104.33 arc(142.45,104.12) 142.4,103.88 142.4,97.68 arc(142.45,97.44) 142.58,97.24 143.82,96.01 arc(143.87,95.93) 143.89,95.83 143.89,95.72 arc(143.87,95.62) 143.81,95.53 143.71,95.43
N23570728: length 108.8
  TOP w0.099: 129.25,188.11 128.65,188.71 128.65,190.67 C6268.2
  TOP w0.114: U3235.T1 144.58,92.09 144.58,93.92 144.14,94.37 144.14,95.24 144.32,95.43
  ART03 w0.104: 129.25,188.11 128.94,188.11 128.84,188.01 128.84,186.54 128.88,186.51 128.88,186.48
  ART03 w0.124: 128.88,186.48 128.88,183.18 145.32,166.74 145.32,106.96 arc(145.27,106.72) 145.13,106.52 142.76,104.15 arc(142.68,104.03) 142.65,103.88 142.65,97.68 arc(142.68,97.54) 142.76,97.42 143.04,97.15 143.19,97.15 143.34,97.15 143.57,96.91 143.57,96.76 143.57,96.61 144,96.19 arc(144.11,96.02) 144.14,95.83 144.14,95.72 arc(144.16,95.62) 144.22,95.53 144.32,95.43
N23570729: length 109
  TOP w0.099: 134.25,187.96 133.85,188.36 133.85,189.58 C6259.2
  TOP w0.114: U3235.G2 152.46,91.41
  ART03 w0.104: 134.25,187.96 133.66,187.37 133.66,186.54 133.62,186.51 133.62,186.48
  ART03 w0.124: 133.62,186.48 133.62,185.87 150.58,168.92 150.58,107.28 arc(150.62,107.04) 150.76,106.84 153.45,104.15 arc(153.53,104.03) 153.56,103.88 153.56,94.96 arc(153.53,94.82) 153.45,94.7 153.32,94.57 arc(153.18,94.37) 153.14,94.13 153.14,93.54 153.01,93.42 152.88,93.29 152.88,92.96 153.01,92.83 153.14,92.71 153.14,91.36 arc(153.07,91.2) 152.91,91.14 152.9,91.14 arc(152.75,91.17) 152.62,91.25 152.46,91.41
N23570730: length 107.8
  TOP w0.099: 131.25,188.72 130.85,189.12 130.85,190.67 C6265.2
  TOP w0.114: 147.8,95.43 147.99,95.24 147.99,93.84 147.54,93.39 147.54,92.09 U3235.N1
  ART03 w0.104: 130.62,186.48 130.62,186.51 130.66,186.54 130.66,188.13 131.25,188.72
  ART03 w0.124: 147.8,95.43 147.9,95.53 arc(147.96,95.62) 147.98,95.72 147.98,95.79 arc(147.95,95.92) 147.88,96.04 146.67,97.24 arc(146.54,97.44) 146.49,97.68 146.49,103.88 arc(146.54,104.12) 146.67,104.33 147.16,104.81 arc(147.24,104.93) 147.27,105.07 147.27,167.55 130.62,184.2 130.62,186.48
N23570731: length 109.3
  TOP w0.099: 134.25,187.35 133.65,187.95 133.65,189.58 C6258.2
  TOP w0.114: U3235.F2 152.46,90.61
  ART03 w0.104: 134.25,187.35 133.94,187.35 133.84,187.25 133.84,186.54 133.88,186.51 133.88,186.48
  ART03 w0.124: 133.88,186.48 133.88,185.98 150.83,169.03 150.83,107.28 arc(150.86,107.14) 150.94,107.02 153.63,104.33 arc(153.76,104.12) 153.81,103.88 153.81,94.96 arc(153.77,94.73) 153.63,94.52 153.56,94.46 153.5,94.39 arc(153.42,94.27) 153.39,94.13 153.39,91.36 arc(153.25,91.03) 152.91,90.89 152.9,90.89 arc(152.75,90.86) 152.62,90.77 152.46,90.61
N23570732: length 108.1
  TOP w0.099: 131.25,188.11 130.65,188.71 130.65,190.67 C6264.2
  TOP w0.114: 148.41,95.43 148.23,95.24 148.23,93.74 147.78,93.29 147.78,92.09 U3235.M1
  ART03 w0.104: 131.25,188.11 130.94,188.11 130.84,188.01 130.84,186.54 130.88,186.51 130.88,186.48
  ART03 w0.124: 130.88,186.48 130.88,184.3 147.52,167.65 147.52,105.07 arc(147.47,104.84) 147.34,104.63 146.85,104.15 arc(146.77,104.03) 146.74,103.88 146.74,97.68 arc(146.77,97.54) 146.85,97.42 147.13,97.15 147.28,97.15 147.43,97.15 147.66,96.91 147.66,96.76 147.66,96.61 148.05,96.22 arc(148.19,96.02) 148.23,95.79 148.23,95.72 arc(148.25,95.62) 148.31,95.53 148.41,95.43
N23570733: length 108.3
  TOP w0.099: 133.25,188.72 132.85,189.12 132.85,190.67 C6261.2
  TOP w0.114: 151.89,95.43 152.08,95.24 152.08,94.73 150.74,93.39 150.74,92.09 U3235.J1
  ART03 w0.104: 133.25,188.72 132.66,188.13 132.66,186.54 132.62,186.51 132.62,186.48
  ART03 w0.124: 151.89,95.43 151.99,95.53 arc(152.05,95.62) 152.07,95.72 152.07,95.79 arc(152.04,95.92) 151.97,96.04 150.76,97.24 arc(150.63,97.44) 150.58,97.68 150.58,104.33 arc(150.55,104.48) 150.47,104.6 149.68,105.39 arc(149.53,105.62) 149.48,105.88 149.48,168.46 132.62,185.31 132.62,186.48
N27750614: length 5.5
  TOP w0.102: U3241.3 21.63,154.19 20.42,155.4 TP35.1
N27750642: length 4.5
  TOP w0.102: U3241.13 19.94,150.19 TP37.1
N27750695: length 3.3
  TOP w0.102: U3241.1 22.58,154.99 22.45,155.12 TP36.1
N27750765: length 4.7
  TOP w0.102: U3241.18 23.83,147.45 23.67,147.29 21.84,147.29 R12589.2
N27750814: length 4.3
  TOP w0.102: R12590.2 22.4,146.99 23.79,146.99 24.23,147.42 U3241.19
N27750846: length 5.7
  TOP w0.102: U3241.16 22.5,148.99 22.07,148.56 22.07,148.15 21.82,147.9 21.59,147.9 20.45,146.76 19.86,146.76 19.25,146.15 R12591.2
N27750892: length 1.5
  TOP w0.102: R12593.1 U3242.3
N27751007: length 1.7
  TOP w0.102: R12594.2 29.83,146.42 U3241.33
N27751184: length 4.5
  TOP w0.102: X6.1 33.82,143.9 32.77,144.96 31.34,144.96 C5920.1 30.02,144.5 R12599.2
N172017850: length 1.8
  TOP w0.254: U47.5 193.2,224.32 193.62,223.9 R450.1
N172172761: length 2
  TOP w0.102: Y2.2 106.02,98.46 R272.2
N178115841: length 2.4
  TOP w0.102: Q501.3 45.41,300.4 D520.C
N178115910: length 1.2
  TOP w0.102: R580.1 48.68,297.09 Q501.1
N178704724: length 1.8
  TOP w0.254: U56.5 43.82,224.32 44.25,223.9 R660.1
N185890460: length 1.1
  TOP w0.102: LED500.A R576.1
N199113838: length 1.7
  TOP w0.102: U2010.15 72.79,156.33 R2247.1
N199113839: length 1.7
  TOP w0.102: U2010.16 72.14,156.33 R2389.1
N1714183128: length 1.5
  TOP w0.102: U7.13 28.59,263.94 R68.2
N1991138310: length 1.7
  TOP w0.102: U2010.20 69.54,156.34 R2386.1
N1991138316: length 1.8
  TOP w0.102: R2248.1 73.44,156.12 U2010.14
N1991138317: length 1.8
  TOP w0.102: R2388.1 71.49,156.12 U2010.17
N1991138318: length 1.9
  TOP w0.102: R2387.1 70.84,155.9 U2010.18
N2175711473: length 3.2
  TOP w0.102: U3235.A3 158.96,90.21 R12905.1
N2274594611: length 1.6
  TOP w0.102: U3269.11 187.74,190.23 R12854.1
N2274694211: length 1.6
  TOP w0.102: R12871.1 38.24,190.23 U3270.11
N2309953910: length 14.2
  TOP w0.102: U3273.B3 195.48,93.24 197.02,93.24 197.43,93.64 197.43,94.58 197.79,94.95 206.38,94.95 TP43.1
N2309953911: length 14.8
  TOP w0.102: U3273.G5 193.88,96.44 197.19,96.44 197.73,95.89 206.36,95.89 TP44.1
N2309953912: length 14.4
  TOP w0.102: U3273.E5 193.88,94.84 196.97,94.84 197.38,95.25 207.09,95.25 TP45.1
N2309953913: length 14.3
  TOP w0.102: U3273.F5 193.88,95.64 197.33,95.64 197.38,95.59 207.07,95.59 TP46.1

## Copper pours and planes (outline as drawn; the poured copper is in the pictures)
3.3V_AUX on TOP (solid shape): 214.58,219.29 211.38,219.29 211.38,221.26 212.65,222.53 214.58,222.53
3.3V_AUX on ART03 (solid shape): outline of 195 points within 154.89,92 162,136.32
3.3V_AUX on ART03 (solid shape): outline of 762 points within 212.32,220.65 227.89,232
3.3V_AUX on ART07 (solid shape): outline of 1489 points within 158.75,132.51 215.8,222.94
3.3V_AUX on ART10 (solid shape): outline of 1907 points within 113.94,45.11 161.95,93.22
3.3V_AUX_PCIE on TOP (solid shape): 29.9,114.55 29.9,112.62 26.66,112.62 26.66,115.82 28.63,115.82
3.3V_AUX_PCIE on TOP (solid shape): 55.28,76.73 55.27,76.66 55.27,76.62 55.32,76.45 55.45,76.33 55.45,75.57 54.05,75.57 54.05,76.83 55.2,76.83
3.3V_AUX_PCIE on TOP (solid shape): 55.29,117.14 55.3,117.13 55.37,117.03 55.47,116.96 55.48,116.96 55.75,116.68 55.75,115.85 54.81,115.85 54.81,115.21 54.69,115.21 54.69,116.71 54.05,116.71 54.05,117.47 54.97,117.47
3.3V_AUX_PCIE on ART10 (solid shape): outline of 4571 points within 28.02,33.07 55.8,116.69
3V3_NVME0 on TOP (solid shape): 163.3,35.41 163.93,35.41 163.93,32.28 163.44,31.79 162.44,31.79 162.44,36.09 163.3,36.09
3V3_NVME0 on TOP (solid shape): 164.19,49.43 163.3,49.43 163.3,48.79 162.44,48.79 162.44,50.34 162.5,50.49 162.65,50.55 164.19,50.55
3V3_NVME0 on ART03 (solid shape): 164.82,50.39 165.18,50.24 165.33,49.89 165.33,49.44 165.22,49.36 165.2,49.36 165.15,49.37 165.1,49.38 164.77,49.05 165.1,48.72 165.15,48.72 165.2,48.73 165.22,48.74 165.33,48.66 165.33,43.57 165.22,43.49 165.2,43.5 165.15,43.51 165.1,43.51 164.87,43.41 164.77,43.18 164.85,42.96 165.06,42.85 165.1,42.85 165.1,42.65 165.06,42.64 164.77,42.32 165.06,41.99 165.1,41.98 165.1,41.79 165.06,41.78 164.85,41.67 164.77,41.45 164.87,41.22 165.1,41.12 165.15,41.13 165.2,41.14 165.22,41.14 165.33,41.07 165.33,36.18 165.22,36.1 165.2,36.1 165.15,36.12 165.1,36.12 164.77,35.79 165.1,35.46 165.15,35.46 165.22,35.48 165.32,35.38 165.15,35.07 164.82,34.95 162.79,34.95 162.43,35.1 162.28,35.46 162.28,49.89 162.43,50.24 162.79,50.39
5V_BP on TOP (solid shape): 224.86,92.25 226.26,92.25 226.26,90.26 225.84,89.85 220.32,89.85 220.32,92.58 223.29,92.58 223.72,93.01 224.86,93.01
5V_BP on ART05 (solid shape): outline of 1220 points within 196.39,56.62 240.23,61.62
5V_BP on ART14 (solid shape): outline of 629 points within 224.43,59.16 242.24,90.88
5V_USB_FP on TOP (solid shape): 229.16,152.45 229.52,152.3 229.67,151.94 229.67,149.43 227.36,149.43 227.23,149.56 227.23,151.82 227.86,151.82 227.86,152.45
5V_USB_FP on TOP (solid shape): outline of 191 points within 228.42,149.43 240.06,155.49
12V_BP on TOP (solid shape): 234.82,92.95 235.05,92.95 235.05,92.25 236.4,92.25 236.4,92.1 236.44,92.1 236.44,90.26 236.03,89.85 230.5,89.85 230.5,92.58 233.48,92.58 233.9,93.01 234.82,93.01
12V_BP on ART03 (solid shape): outline of 321 points within 234.62,67.03 242.24,90.88
+3.3V_ATX on TOP (solid shape): outline of 335 points within 221.03,195.68 241.55,205.77
+3.3V_ATX on ART03 (solid shape): outline of 2278 points within 231.75,195.68 241.53,248.28
+3.3V_ATX on ART07 (solid shape): outline of 18131 points within 49.61,45.44 222.48,205.23
+5V_ATX on TOP (solid shape): outline of 855 points within 227.12,209.5 242.98,243.38
+5V_SB on TOP (solid shape): 23.48,113.32 24.23,112.57 24.23,112.5 24.31,112.5 24.36,112.44 24.36,110.92 24.3,110.78 24.16,110.72 22.62,110.72 22.62,112.29 23.24,112.29 23.24,113.06 22.62,113.06 22.62,113.44 23.36,113.44
+5V_SB on TOP (solid shape): 216.28,216.99 216.42,216.93 216.48,216.79 216.48,215.25 214.91,215.25 214.91,215.88 214.15,215.88 214.15,215.25 213.76,215.25 213.76,215.99 213.88,216.12 214.63,216.86 214.71,216.86 214.71,216.94 214.76,216.99
+5V_SB on ART12 (solid shape): outline of 17733 points within 18.41,110.16 236.37,234.59
+12V_ATX on TOP (solid shape): 235.81,97.33 235.81,96.7 236.45,96.7 236.45,96.11 236.4,96.11 236.4,95.96 235.05,95.96 235.05,95.39 234.62,95.39 234.62,97.13 234.68,97.27 234.82,97.33 235.64,97.33
+12V_ATX on TOP (solid shape): 234.43,243.38 234.48,243.38 234.54,243.38 234.6,243.38 235.41,243.38 236.13,243.09 236.42,242.37 236.42,236.02 236.13,235.3 235.41,235 227.12,235 227.12,241.35 229.16,243.38
+12V_ATX on ART07 (solid shape): outline of 26256 points within 29.16,1.04 242.8,303.76
+12V_ATX on PWR08 (solid shape): outline of 26254 points within 29.16,1.04 242.8,303.76
AVDD25 on TOP (solid shape): 169.14,102.31 167.87,101.04 165.94,101.04 165.94,104.3 169.14,104.3
AVDD25 on BOTTOM (solid shape): 180.59,101.85 182.42,101.85 182.42,100.86 181.36,100.86 181.36,101.5 179.73,101.5 179.73,100.86 179.43,100.86 179.43,101.83 180.06,101.83 180.06,102.59 179.87,102.59 179.8,102.7 179.8,102.72 179.82,102.78 179.82,102.83 179.82,102.92 179.92,103.19 180.17,103.32 180.23,103.31 180.29,103.3 180.35,103.31 180.42,103.33 180.59,103.33
AVDD25 on ART05 (solid shape): outline of 1216 points within 166.83,95.38 186.36,106.27
GND on TOP (solid shape): 110.46,273.51 103.71,273.51 103.71,276.4 110.46,276.4
GND on TOP (solid shape): 110.46,273.51 103.71,273.51 103.71,276.4 110.46,276.4
GND on TOP (solid shape): 129.79,273.51 123.04,273.51 123.04,276.4 129.79,276.4
GND on TOP (solid shape): 129.79,273.51 123.04,273.51 123.04,276.4 129.79,276.4
GND on TOP (solid shape): 23.57,175.69 21.71,175.69 20.5,176.9 20.53,176.97 23.57,176.97
GND on TOP (solid shape): 33.19,162.83 33.16,162.76 21.54,162.76 21.54,163.27 32.74,163.27
GND on TOP (solid shape): 124,47.45 123.5,47.45 123.5,51.69 123.57,51.77 124,51.77
GND on TOP (solid shape): 124.05,45.27 124.05,44.11 122.9,44.11 122.9,45.87 123.45,45.87
GND on TOP (solid shape): 129.05,45.45 129.05,44.11 127.9,44.11 127.9,45.87 128.63,45.87
GND on TOP (solid shape): 23.57,174.94 23.57,174.12 23.28,174.12 22.43,174.97 22.46,175.03 23.48,175.03
